# Altium PCB 4.0寸_TK040及31pin.PcbDoc
Units mm, origin at the board's own origin, x right, y up, seen from the top; angles counter-clockwise.
Board outline 60.41 x 107.61 mm, 2 copper layers (Top Layer, Bottom Layer); 21 components, 52 nets, 198 pads, 206 vias.
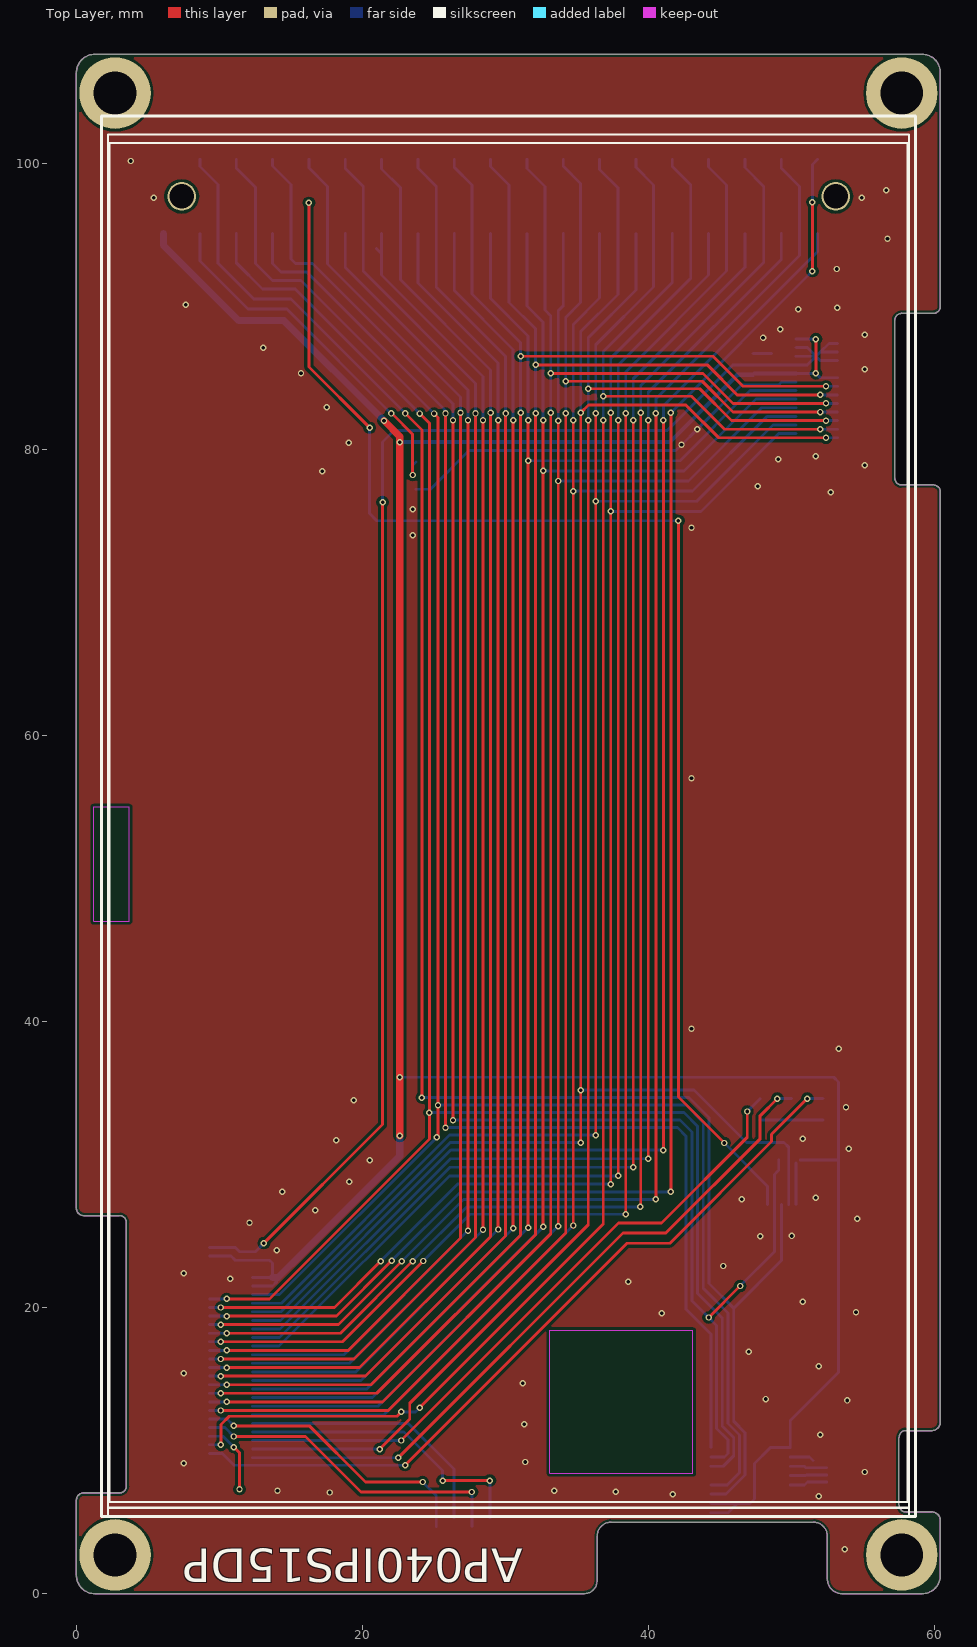
[diagram p0: Top Layer view]
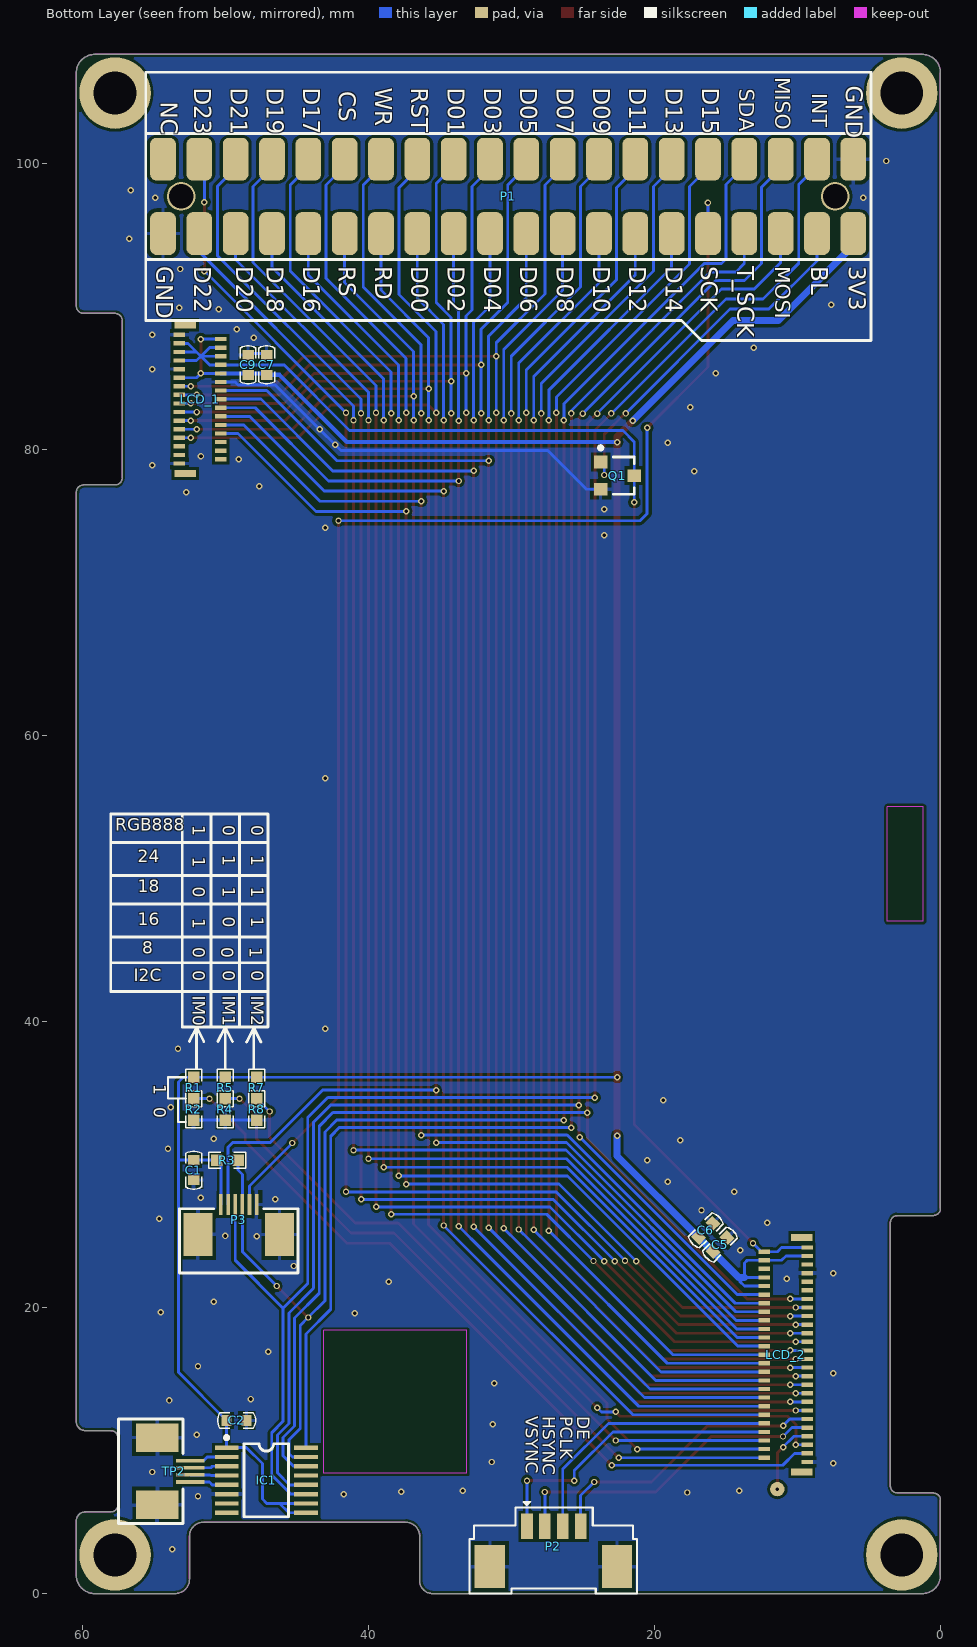
[diagram p1: Bottom Layer view, seen from below]
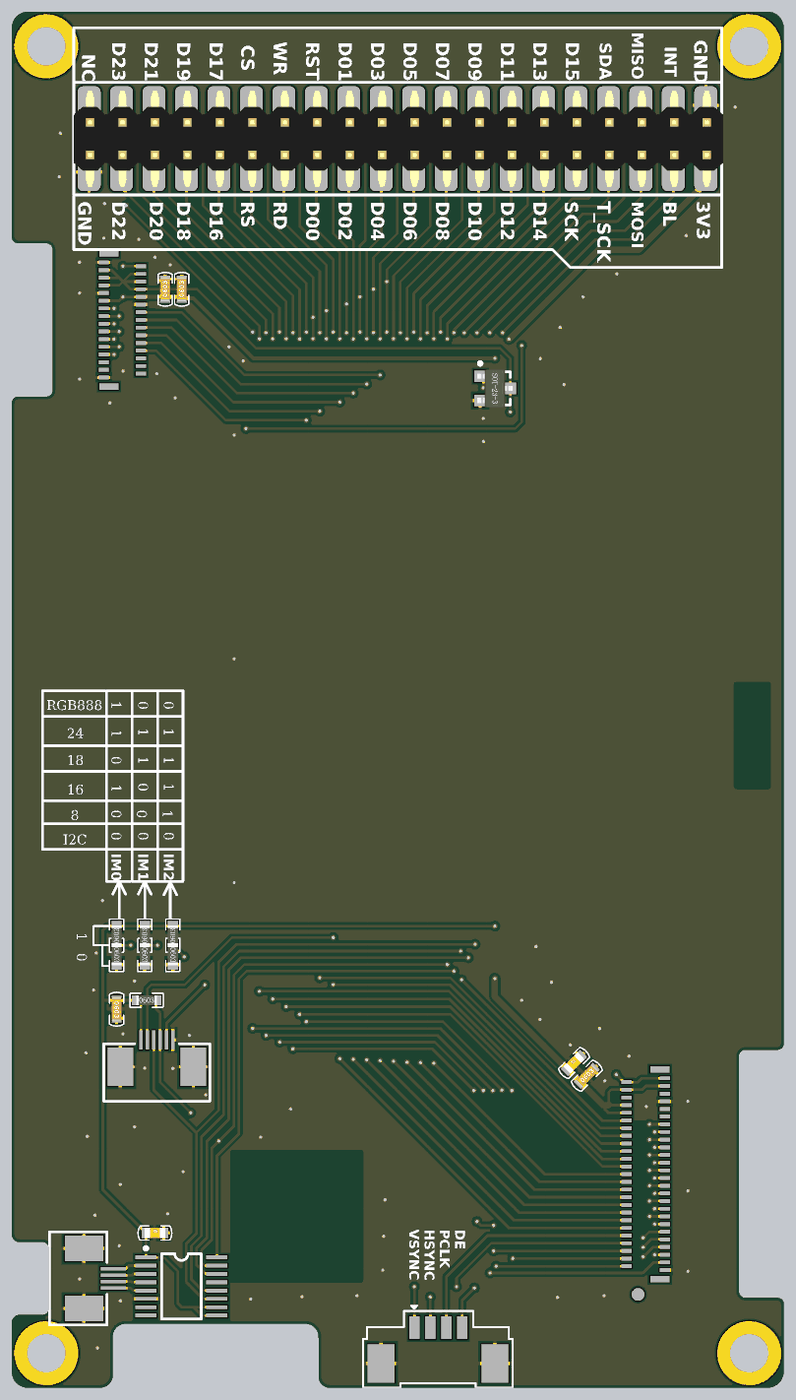
[diagram p2: 3D render of the assembled board from below, using the file's embedded part models]

## Layer stack, top to bottom
Top Solder: solder mask 0.0102, Solder Resist, Dk 3.5
Top Layer: signal copper 0.0356
Dielectric1: dielectric 0.32, FR-4, Dk 4.8
Bottom Layer: signal copper 0.0356
Bottom Solder: solder mask 0.0102, Solder Resist, Dk 3.5

## Board outline
-0.005,1.27 ccw(c1.27,1.27) 1.27,-0.005 35.5,-0.005 ccw(c35.5,0.9) 36.405,0.9 36.405,4 cw(c37.4,4) 37.4,4.995 51.5,4.995 cw(c51.5,4) 52.495,4 52.495,1 ccw(c53.5,1) 53.5,-0.005 59.13,-0.005 ccw(c59.13,1.27) 60.405,1.27 60.405,5.1 ccw(c59.8,5.1) 59.8,5.705 58,5.705 cw(c58,6.2) 57.505,6.2 57.505,10.9 cw(c58,10.9) 58,11.395 59.8,11.395 ccw(c59.8,12) 60.405,12 60.405,77 ccw(c59.9,77) 59.9,77.505 57.7,77.505 cw(c57.7,78) 57.205,78 57.205,89 cw(c57.7,89) 57.7,89.495 59.9,89.495 ccw(c59.9,90) 60.405,90 60.405,106.33 ccw(c59.13,106.33) 59.13,107.605 1.27,107.605 ccw(c1.27,106.33) -0.005,106.33 -0.005,26.93 ccw(c0.5,26.93) 0.5,26.425 3,26.425 cw(c3,25.93) 3.495,25.93 3.495,7.53 cw(c3,7.53) 3,7.035 0.5,7.035 ccw(c0.5,6.53) -0.005,6.53

## Design rules (kind name [scope] priority, off if disabled: settings)
Clearance [All] p1: gap=0.2
ComponentClearance [All] p1 off: gap=0.254 collisioncheckmode=3 verticalgap=0.254 showdistances=FALSE
Height [All] p1 off: minheight=0 maxheight=25.4 prefheight=12.7
PlaneConnect [All] p1: planeconnectstyle=Direct reliefexpansion=0.508 reliefentries=4 reliefconductorwidth=0.254 reliefairgap=0.254
PolygonConnect PolygonConnect_1 [IsVia] p1: connectstyle=Direct reliefconductorwidth=0.254 reliefentries=4 polygonreliefangle="90 Angle" airgapwidth=0.254
PolygonConnect [All] p2: connectstyle=Relief reliefconductorwidth=0.254 reliefentries=4 polygonreliefangle="90 Angle" airgapwidth=0.254
RoutingVias [All] p1: holewidth=0.711 width=1.27 viastyle="Through Hole" minholewidth=0.711 minwidth=1.27 maxholewidth=0.711 maxwidth=1.27
SilkToSolderMaskClearance SilkscreenOverComponentPads [IsPad] p1: minsilkscreentomaskgap=0.254 clearancetoexposedcopper=TRUE
SolderMaskExpansion [All] p1: expansion=0.102
Width [All] p1: maxlimit=1 minlimit=0.2 preferedwidth=0.2 minimp=50.000000 maximp=50.000000 favimp=50.000000
26 further rules are at their usual default settings.

## Components (designator, comment, footprint, x,y, rotation, side; value= is the part's Value field where it differs from the comment)
C1 "104" C0603-1 52.2,30.3 r270 bottom
C2 "104" C0603-2 49.9,12.1 r180 bottom
C5 "104" C0603-1 15.9,23.9 r135 bottom
C6 "475" C0603-2 16.9,24.9 r135 bottom
C7 "104" C0603-1 47.1,85.2 r90 bottom
C9 "475" C0603-1 48.4,85.2 r90 bottom
IC1 "XPT2046" SOT403-1 49.9,10.2 r180 bottom
LCD_1 "TFT_FSY39710" TFT_FSY39710 58.2,102 r180 top locked
LCD_2 "TK040F1532" TK040F1532 2.3,6.4 r0 top locked
P1 "PIN_Header_40PIN（排针）" P_Head_2x20 54.35,100.275 r180 bottom locked
P2 "BHEADSMD1x4" BHEADSMD1x4 28.9,4.7 r0 bottom locked
P3 "TP_Cap_4.0inch 电容屏接口座" TP_CAP_4.0INCH 47.6,27.2 r0 top locked
Q1 "SI2302" SOT23A 23.75,79.1 r270 bottom
R1 "0R" R0603 52.2,34.6 r90 bottom
R2 "0R" R0603 52.2,34.6 r270 bottom
R3 "4.7K" R0603 50.6,30.3 r180 bottom
R4 "0R" R0603 50,34.6 r270 bottom
R5 "0R" R0603 50,34.6 r90 bottom
R7 "0R" R0603 47.8,34.6 r90 bottom
R8 "0R" R0603 47.8,34.6 r270 bottom
TP2 "BHEADSMD1x4" TP_4.0inch 58.65,5.4 r180 top locked

## Footprints (in the part's own frame and the unit in brackets; to place one, negate y for a bottom-side part, rotate by r counter-clockwise, add the part's x,y. Pads: shape width x height; smd on the part's side, far side on the other; paste and mask are expansions set on the pad)
BHEADSMD1x4 [mil]
  rect 32x71 smd: 1(0,0) 2(-49.21,0) 3(-98.43,0) 4(-147.64,0)
  rect 83x118 smd: 5(102.36,110.24) 6(-248.03,110.24)
  silkscreen extent -303,-68 158,185
C0603-1 [mm]
  rect 0.7x0.8 smd mask+0.1: 1(0,0) 2(1.4,0)
  silkscreen extent -0.62,-0.55 2.02,0.55, body extent -0.3,-0.39 1.7,0.39, height 0.79
C0603-2 [mm]
  rect 0.7x0.8 smd mask+0.1: 1(0,0) 2(1.4,0)
  silkscreen extent -0.62,-0.55 2.02,0.55, body extent -0.1,-0.4 1.5,0.4, height 0.3
P_Head_2x20 [mm]
  round 2 hole 1.7: 0(1.27,-2.6) 0(46.99,-2.6)
  rrect50% 1.8x3 smd: 1(0,0) 2(0,-5.2) 3(2.54,0) 4(2.54,-5.2) 5(5.08,0) 6(5.08,-5.2) 7(7.62,0) 8(7.62,-5.2) 9(10.16,0) 10(10.16,-5.2) 11(12.7,0) 12(12.7,-5.2) 13(15.24,0) 14(15.24,-5.2) 15(17.78,0) 16(17.78,-5.2) 17(20.32,0) 18(20.32,-5.2) 19(22.86,0) 20(22.86,-5.2) 21(25.4,0) 22(25.4,-5.2) 23(27.94,0) 24(27.94,-5.2) 25(30.48,0) 26(30.48,-5.2) 27(33.02,0) 28(33.02,-5.2) 29(35.56,0) 30(35.56,-5.2) 31(38.1,0) 32(38.1,-5.2) 33(40.64,0) 34(40.64,-5.2) 35(43.18,0) 36(43.18,-5.2) 37(45.72,0) 38(45.72,-5.2) 39(48.26,0) 40(48.26,-5.2)
  silkscreen extent -1.2,-7 49.5,1.8, body extent -1.2,-6.35 49.6,1.15, height 9.7
R0603 [mm]
  rect 0.8x0.8 smd mask+0.1: 1(0,0) 2(1.5,0)
  silkscreen extent -0.55,-0.55 2.05,0.55, body extent -0.05,-0.4 1.55,0.4, height 0.45
SOT23A [mm]
  rect 0.9x0.95 smd: 1(0,0) 2(1.9,0) 3(0.95,2.35)
  silkscreen extent -1.12,-0.13 2.25,2.35, body extent -0.5,-0.25 2.4,2.55
SOT403-1 [mm]
  rect 1.65x0.3 smd: 1(0,0) 2(0,-0.65) 3(0,-1.3) 4(0,-1.95) 5(0,-2.6) 6(0,-3.25) 7(0,-3.9) 8(0,-4.55) 9(5.55,-4.55) 10(5.55,-3.9) 11(5.55,-3.25) 12(5.55,-2.6) 13(5.55,-1.95) 14(5.55,-1.3) 15(5.55,-0.65) 16(5.55,0)
  silkscreen extent -0.13,-4.83 4.33,0.82
TFT_FSY39710 [mm]
  rect 1.5x0.5 smd far side: 0(5.4,23.7) 0(5.4,13.3)
  rect 0.8x0.3 smd far side: 1(5,23) 2(7.9,22.7) 3(5,22.4) 4(7.9,22.1) 5(5,21.8) 6(7.9,21.5) 7(5,21.2) 8(7.9,20.9) 9(5,20.6) 10(7.9,20.3) 11(5,20) 12(7.9,19.7) 13(5,19.4) 14(7.9,19.1) 15(5,18.8) 16(7.9,18.5) 17(5,18.2) 18(7.9,17.9) 19(5,17.6) 20(7.9,17.3) 21(5,17) 22(7.9,16.7) 23(5,16.4) 24(7.9,16.1) 25(5,15.8) 26(7.9,15.5) 27(5,15.2) 28(7.9,14.9) 29(5,14.6) 30(7.9,14.3) 31(5,14)
  Keep-Out Layer lines w0.01: 57,55 54.5,55 54.5,47 57,47 57,55
  silkscreen extent 0,0 56,96
TK040F1532 [mm]
  rect 1.5x0.5 smd far side: 0(7.4,2.1) 0(7.4,18.5)
  rect 0.8x0.3 smd far side: 1(7,2.8) 2(10,3.1) 3(7,3.4) 4(10,3.7) 5(7,4) 6(10,4.3) 7(7,4.6) 8(10,4.9) 9(7,5.2) 10(10,5.5) 11(7,5.8) 12(10,6.1) 13(7,6.4) 14(10,6.7) 15(7,7) 16(10,7.3) 17(7,7.6) 18(10,7.9) 19(7,8.2) 20(10,8.5) 21(7,8.8) 22(10,9.1) 23(7,9.4) 24(10,9.7) 25(7,10) 26(10,10.3) 27(7,10.6) 28(10,10.9) 29(7,11.2) 30(10,11.5) 31(7,11.8) 32(10,12.1) 33(7,12.4) 34(10,12.7) 35(7,13) 36(10,13.3) 37(7,13.6) 38(10,13.9) 39(7,14.2) 40(10,14.5) 41(7,14.8) 42(10,15.1) 43(7,15.4) 44(10,15.7) 45(7,16) 46(10,16.3) 47(7,16.6) 48(10,16.9) 49(7,17.2) 50(10,17.5) 51(7,17.8)
  Keep-Out Layer lines w0.01: 30.8,2 30.8,12 40.8,12 40.8,2 30.8,2
  silkscreen extent 0,0 55.8,95
TP_4.0inch [mm]
  rect 2x0.25 smd far side: 1(6.2,-2.4) 2(6.2,-2.9) 3(6.2,-3.4) 4(6.2,-3.9)
  rect 3x2 smd far side: 5(3.9,-0.8) 6(3.9,-5.5)
  silkscreen extent 0,-97.9 56.9,0
TP_CAP_4.0INCH [mm]
  rect 0.25x1.5 smd far side: 1(2.7,0) 2(2.2,0) 3(1.7,0) 4(1.2,0) 5(0.7,0) 6(0.2,0)
  rect 2x3 smd far side: 7(-1.4,-2.1)
  rect 2x3 smd far side paste+0: 8(4.3,-2.1)
  silkscreen extent -45.4,-21.8 10.6,74.2

## Part data
C1 C2 C5 C6 C7 C9: library part cap
IC1: library part ADS7843
P1: library part PIN_Header_40PIN
P3: library part BHEADSMD1x6
Q1: library part MOSFET-N
R1 R2 R3 R4 R5 R7 R8: library part Resistor

## Free pads (board coordinates)
  round 5 hole 3: 2(2.7,2.7) 2(2.7,104.9) 2(57.7,2.7) 2(57.7,104.9)
  round 1 smd far side: 4(11.4,7.3)

## Via types
v1: diameter 0.45, hole 0.25, Top Layer to Bottom Layer, tented both sides, 206 vias

## Nets (pads, with @x,y where several pads share a name; then routed paths per layer and width w, separated by ;. In a path a pad name is that pad's centre, name@x,y a point inside that pad or via, vN(x,y) a via of type N, cw(c..) or ccw(c..) an arc to the next point about the centre after c; other vN are vias at no path point)
3.3V: C1.1 C2.1 C5.1 C6.1 C7.1 C9.1 IC1.1 IC1.9 IC1.10 LCD_1.21 LCD_1.22 LCD_1.30 LCD_2.42 LCD_2.44 LCD_2.48 LCD_2.49 P1.40 P3.1 R1.2 R3.1 R5.2 R7.2 | length 205.3
  Top Layer w0.2: v1(51.7,85.3) v1(51.7,87.7)
  Top Layer w0.5: v1(21.5,82) 22.6,80.9 v1(22.6,80.5) v1(22.6,36.1) v1(22.6,32)
  Bottom Layer w0.2: LCD_2.49 10.8,23.6 11.1,23.3 LCD_2.48 13.5,23.3 13.7,23.1 13.7,22.1 ; LCD_2.42 13.7,21.5 14,21.8 13.7,22.1 ; LCD_2.44 13.7,22.1 ; v1(22.6,36.1) R7.2 R1.2 52.945,36.1 53.275,35.77 53.275,30.3 ; IC1.9 45.55,5.65 46.2,6.3 ; IC1.10 46.2,6.3 ; P3.1 R3.1@50.3,30.1 ; LCD_1.22 v1(51.7,85.3) 52,85 LCD_1.21 ; LCD_1.30 v1(51.7,87.7) ; R3.1 C1.1 53.275,30.3 ; 46.2,6.3 47.1,6.3 47.4,6.6 47.4,9.1 48.5,10.2 IC1.1 C2.1 53.275,15.475 53.275,30.3
  Bottom Layer w0.3: v1(22.6,80.5) 41.5,80.5 46.2,85.2 C7.1 C7.1@47.3,85.2 ; C7.1@47.4,85.3 LCD_1.22
  Bottom Layer w0.5: P1.40 6.09,94.235 11.325,89 14.5,89 v1(21.5,82) ; 13.7,22.1 14.1,22.1 C5.1 C6.1 22.6,30.6 v1(22.6,32)
BL_CTR: P1.38 Q1.1 | length 25.6
  Top Layer w0.2: v1(22,82.5) 22.05,82.5 23.504,81.046 v1(23.504,78.2)
  Bottom Layer w0.2: P1.38 8.63,93.17 12,89.8 14.7,89.8 v1(22,82.5) ; v1(23.504,78.2) 23.504,78.854 Q1.1
CABC: LCD_2.7 pad.4 | length 5.1
  Top Layer w0.2: v1(11,10.242) 11.4,9.842 v1(11.4,7.3)
  Bottom Layer w0.2: LCD_2.7 10.242,11 v1(11,10.242)
CS: LCD_1.8 LCD_2.37 P1.11 | length 121.3
  Top Layer w0.2: v1(10.1,20) 18.03,20 v1(21.273,23.242) ; v1(37.355,28.625) v1(37.355,75.657) v1(37.355,82.555)
  Bottom Layer w0.2: LCD_2.37 v1(10.1,20) ; v1(21.273,23.242) 26.655,28.625 v1(37.355,28.625) ; v1(37.355,75.657) 43.657,75.657 49.1,81.1 LCD_1.8 ; v1(37.355,82.555) 37.355,86.355 42.95,91.95 42.95,98.475 41.65,99.775 P1.11
D00: LCD_1.12 LCD_2.12 P1.16 | length 115.9
  Top Layer w0.2: v1@34.73,25.6 v1(34.73,25.73) v1(34.73,77.072) v1(34.73,82.03)
  Bottom Layer w0.2: LCD_2.12 21.5,12.5 32.95,23.95 v1(34.73,25.73) ; v1(34.73,77.072) 43.072,77.072 48.3,82.3 LCD_1.12 ; v1(34.73,82.03) 34.73,88.73 36.57,90.57 P1.16
D01: LCD_1.13 LCD_2.13 P1.17 | length 125.8
  Top Layer w0.2: v1(10.1,12.8) 21.8,12.8 34.205,25.205 v1(34.205,82.505) ; v1(34.205,84.75) 43.75,84.75 45.9,82.6 v1(52,82.6)
  Bottom Layer w0.2: LCD_2.13 v1(10.1,12.8) ; P1.17 34.03,99.795 35.25,98.575 35.25,90.25 34.205,89.205 v1(34.205,84.75) v1(34.205,82.505) ; v1@52.1,82.6 LCD_1.13
D02: LCD_1.14 LCD_2.14 P1.18 | length 115
  Top Layer w0.2: v1@33.68,25.6 v1(33.68,25.69) v1(33.68,77.779) v1(33.68,82)
  Bottom Layer w0.2: LCD_2.14 21.09,13.1 31.99,24 v1(33.68,25.69) ; v1(33.68,77.779) 42.779,77.779 47.9,82.9 LCD_1.14 ; v1(33.68,82) 33.68,89.68 34.03,90.03 P1.18
D03: LCD_1.15 LCD_2.15 P1.19 | length 125.4
  Top Layer w0.2: v1(10.5,13.4) 21.4,13.4 33.155,25.155 v1(33.155,82.545) ; v1(33.155,85.3) 43.8,85.3 45.9,83.2 v1(52.4,83.2)
  Bottom Layer w0.2: LCD_2.15 v1(10.5,13.4) ; P1.19 31.49,99.635 32.75,98.375 32.75,89.725 33.155,89.32 v1(33.155,85.3) v1(33.155,82.545) ; v1(52.4,83.2) LCD_1.15
D04: LCD_1.16 LCD_2.16 P1.20 | length 115
  Top Layer w0.2: v1@32.63,25.6 v1(32.63,82.03)
  Bottom Layer w0.2: LCD_2.16 20.69,13.7 v1(32.63,25.64) ; P1.20 31.49,90.01 32.63,88.87 v1(32.63,82.03) ; v1@32.6,78.486 v1(32.63,78.486) 42.486,78.486 47.5,83.5 LCD_1.16
D05: LCD_1.17 LCD_2.17 P1.21 | length 125.7
  Top Layer w0.2: v1(10.1,14) 21,14 32.105,25.105 v1(32.105,82.505) ; v1(32.105,85.9) 44.1,85.9 46.2,83.8 v1(52,83.8)
  Bottom Layer w0.2: LCD_2.17 v1(10.1,14) ; P1.21 28.95,99.775 30.25,98.475 30.25,90.25 32.105,88.395 v1(32.105,85.9) v1(32.105,82.505) ; v1@52.1,83.8 LCD_1.17
D06: LCD_1.18 LCD_2.18 P1.22 | length 115.3
  Top Layer w0.2: v1@31.58,25.6 v1(31.58,79.193) v1(31.58,82.02)
  Bottom Layer w0.2: LCD_2.18 20.3,14.3 31.083,25.083 v1(31.58,25.58) ; P1.22 28.95,90.55 31.58,87.92 v1(31.58,82.02) ; v1(31.58,79.193) 42.193,79.193 47.1,84.1 LCD_1.18
D07: LCD_1.19 LCD_2.19 P1.23 | length 126.1
  Top Layer w0.2: v1(10.5,14.6) 20.6,14.6 31.055,25.055 v1(31.055,82.545) ; v1(31.055,86.5) 44.5,86.5 46.6,84.4 v1(52.4,84.4)
  Bottom Layer w0.2: LCD_2.19 v1@10.4,14.6 ; P1.23 26.41,99.715 27.65,98.475 27.65,90.85 31.055,87.445 v1(31.055,86.5) v1(31.055,82.545) ; v1(52.4,84.4) LCD_1.19
D08: LCD_2.20 P1.24 | length 93.8
  Top Layer w0.2: v1@30.53,25.6 v1(30.53,82.03)
  Bottom Layer w0.2: LCD_2.20 19.9,14.9 29.5,24.5 v1(30.53,25.53) ; P1.24 26.41,91.09 30.53,86.97 v1(30.53,82.03)
D09: LCD_2.21 P1.25 | length 102.6
  Top Layer w0.2: v1(10.1,15.2) 20.2,15.2 30,25 v1(30,82.5)
  Bottom Layer w0.2: LCD_2.21 v1(10.1,15.2) ; P1.25 23.87,99.655 25.15,98.375 25.15,91.35 30,86.5 v1(30,82.5)
D10: LCD_2.22 P1.26 | length 93.2
  Top Layer w0.2: v1(29.475,25.45) v1(29.475,82.025)
  Bottom Layer w0.2: LCD_2.22 19.525,15.5 28.7,24.675 v1(29.475,25.45) ; P1.26 23.87,91.63 29.475,86.025 v1(29.475,82.025)
D11: LCD_2.23 P1.27 | length 101.8
  Top Layer w0.2: v1(10.5,15.8) 19.8,15.8 28.95,24.95 v1(28.95,82.55)
  Bottom Layer w0.2: LCD_2.23 v1@10.4,15.8 ; P1.27 21.33,99.595 22.65,98.275 22.65,91.85 28.95,85.55 v1(28.95,82.55)
D12: LCD_2.24 P1.28 | length 93.1
  Top Layer w0.2: v1(28.425,25.425) v1(28.425,82.025)
  Bottom Layer w0.2: LCD_2.24 19.1,16.1 27.4,24.4 v1(28.425,25.425) ; P1.28@20.98,94.02 P1.28@21.33,93.67 ; P1.28 P1.28@21.33,93.67 ; v1(28.425,82.025) 28.425,85.075 21.33,92.17 P1.28@21.33,93.67
D13: LCD_2.25 P1.29 | length 101.3
  Top Layer w0.2: v1(10.1,16.4) 19.4,16.4 27.9,24.9 v1(27.9,82.5)
  Bottom Layer w0.2: LCD_2.25 v1(10.1,16.4) ; P1.29 18.79,99.635 20.05,98.375 20.05,92.45 27.9,84.6 v1(27.9,82.5)
D14: LCD_2.26 P1.30 | length 91.9
  Top Layer w0.2: v1(27.375,25.375) v1(27.375,82.025)
  Bottom Layer w0.2: LCD_2.26 18.7,16.7 25.895,23.895 v1(27.375,25.375) ; P1.30 18.79,92.71 27.375,84.125 v1(27.375,82.025)
D15: LCD_2.27 P1.31 | length 100.6
  Top Layer w0.2: v1(10.5,17) 19,17 26.85,24.85 v1(26.85,82.55)
  Bottom Layer w0.2: LCD_2.27 v1(10.5,17) ; P1.31 16.25,99.675 17.55,98.375 17.55,92.95 26.85,83.65 v1(26.85,82.55)
D16: LCD_2.28 P1.10 | length 99
  Top Layer w0.2: v1(37.88,29.2) v1(37.88,82.02)
  Bottom Layer w0.2: LCD_2.28 14.171,17.3 26.071,29.2 v1(37.88,29.2) ; v1(37.88,82.02) 37.88,85.88 44.19,92.19 P1.10
D17: LCD_2.29 P1.9 | length 110
  Top Layer w0.2: v1(10.1,17.6) 18.6,17.6 v1(24.25,23.25) ; v1(38.405,26.505) v1(38.405,82.505)
  Bottom Layer w0.2: LCD_2.29 v1(10.1,17.6) ; v1(24.25,23.25) 27.516,26.516 v1@38.4,26.516 ; v1(38.405,82.505) 38.405,85.405 45.45,92.45 45.45,98.475 44.19,99.735 P1.9
D18: LCD_2.30 P1.8 | length 100.1
  Top Layer w0.2: v1(38.93,29.802) v1(38.93,82.03)
  Bottom Layer w0.2: LCD_2.30 14.205,17.9 26.105,29.8 v1@38.928,29.8 ; v1(38.93,82.03) 38.93,84.925 46.73,92.725 P1.8
D19: LCD_2.31 P1.7 | length 111.1
  Top Layer w0.2: v1(10.5,18.2) 18.458,18.2 v1(23.504,23.246) ; v1@39.455,27 v1(39.455,82.555)
  Bottom Layer w0.2: LCD_2.31 v1@10.4,18.2 ; v1(23.504,23.246) 27.288,27.03 v1(39.43,27.03) ; v1(39.455,82.555) 39.455,84.455 48.05,93.05 48.05,98.375 46.73,99.695 P1.7
D20: LCD_2.32 P1.6 | length 101.1
  Top Layer w0.2: v1(39.98,30.4) v1(39.98,82.02)
  Bottom Layer w0.2: LCD_2.32 14.24,18.5 26.14,30.4 v1(39.98,30.4) ; v1(39.98,82.02) 39.98,83.98 49.27,93.27 P1.6
D21: LCD_2.33 P1.5 | length 112.3
  Top Layer w0.2: v1(10.1,18.8) 18.315,18.8 v1(22.758,23.242) ; v1@40.505,27.505 v1(40.505,82.505)
  Bottom Layer w0.2: LCD_2.33 v1(10.1,18.8) ; v1(22.758,23.242) 27.07,27.555 v1(40.5,27.555) ; v1(40.505,82.505) 40.505,83.505 50.55,93.55 50.55,98.375 49.27,99.655 P1.5
D22: LCD_2.34 P1.4 | length 102.2
  Top Layer w0.2: v1@41.03,31.03 v1(41.03,82.03)
  Bottom Layer w0.2: LCD_2.34 14.274,19.1 26.174,31 v1(41.03,31) ; v1(41.03,82.03) 41.03,83.03 51.81,93.81 P1.4
D23: LCD_2.35 P1.3 | length 112.2
  Top Layer w0.2: v1(10.5,19.4) 18.173,19.4 v1(22.048,23.275) ; v1(41.555,28.1) v1(41.555,82.555) ; v1(51.45,92.45) v1(51.45,97.275)
  Bottom Layer w0.2: LCD_2.35 v1@10.4,19.4 ; v1(22.048,23.275) 26.853,28.08 41.535,28.08 v1(41.555,28.1) ; v1(41.555,82.555) v1(51.45,92.45) ; v1(51.45,97.275) 51.45,99.915 P1.3
DE: LCD_2.11 P2.4 | length 20.2
  Top Layer w0.2: v1(11,11.727) 16.273,11.727 20.2,7.8 v1(24.2,7.8)
  Bottom Layer w0.2: LCD_2.11 10.527,12.2 v1(11,11.727) ; v1(24.2,7.8) 25.15,6.85 P2.4
GND: C1.2 C2.2 C5.2 C6.2 C7.2 C9.2 IC1.6 LCD_1.1 LCD_1.20 LCD_1.23 LCD_1.31 LCD_2.1 LCD_2.45 P1.2 P1.39 P2.5 P2.6 P3.6 P3.7 P3.8 Q1.2 R2.2 R4.2 R8.2 TP2.5 TP2.6 | length 35.4
  Bottom Layer w0.2: Q1.2 24.75,77.2 27.45,79.9 41.9,79.9 v1(42.3,80.3) v1(43.4,81.4) 46.5,84.5 49.1,84.5 49.3,84.7 LCD_1.20 ; C7.2@47.3,86.7 C9.2@48.6,86.7 ; R8.2 R4.2 R2.2
  other v1: 53.7,3.1 51.9,6.8 41.7,6.934 17.7,7.066 37.7,7.117 14.059,7.2 33.4,7.2 55.1,8.5 7.5,9.1 31.373,9.2 52,11.1 31.3,11.851 53.9,13.5 48.2,13.6 31.2,14.7 7.5,15.4 51.9,15.9 47,16.9 40.929,19.6 54.5,19.659 50.789,20.4 38.58,21.8 10.755,22 7.5,22.4 45.216,22.9 14,24 47.8,24.973 50,25 12.1,25.93 54.6,26.196 16.7,26.8 46.5,27.555 51.7,27.667 14.4,28.08 19.067,28.8 20.5,30.3 54,31.1 18.173,31.7 50.789,31.8 53.8,34 19.38,34.5 53.3,38.1 43,39.5 43,57 23.5,74 43,74.5 23.5,75.8 52.724,77 47.617,77.4 17.2,78.453 55.1,78.873 49.054,79.3 51.694,79.5 19.048,80.467 17.5,82.922 15.7,85.3 55.1,85.6 13.063,87.1 48,87.8 55.1,88.006 49.2,88.395 50.46,89.8 53.2,89.89 7.633,90.1 53.145,92.6 56.7,94.7 5.4,97.581 54.9,97.581 56.6,98.1 3.8,100.148
HSYNC: LCD_2.9 P2.2 | length 22.6
  Top Layer w0.2: v1(11.004,10.981) 16.019,10.981 19.9,7.1 v1(27.65,7.1)
  Bottom Layer w0.2: LCD_2.9 10.385,11.6 v1(11.004,10.981) ; P2.2 v1(27.65,7.1)
IM0: LCD_2.3 R1.1 R2.1 | length 54
  Top Layer w0.2: v1(22.975,8.975) 38.493,24.493 41.493,24.493 48.6,31.6 48.6,32.105 v1(51.095,34.6)
  Bottom Layer w0.2: LCD_2.3 10.2,9.8 11.025,8.975 v1(22.975,8.975) ; v1@51.2,34.6 R2.1
IM1: LCD_2.2 R4.1 R5.1 | length 49
  Top Layer w0.2: v1(22.5,9.5) 38.2,25.2 41.2,25.2 47.8,31.8 47.8,33.4 v1(49,34.6)
  Bottom Layer w0.2: LCD_2.2 v1(22.5,9.5) ; v1(49,34.6) R4.1
IM2: LCD_2.6 R7.1 R8.1 | length 46.5
  Top Layer w0.2: v1(22.7,10.7) 37.907,25.907 40.907,25.907 46.9,31.9 v1(46.9,33.7)
  Bottom Layer w0.2: LCD_2.6 v1(22.7,10.7) ; v1(46.9,33.7) R8.1
INT: IC1.11 P1.37 P3.3 | length 131.8
  Top Layer w0.2: v1(23,82.5) 24.15,81.35 v1(24.15,34.675)
  Bottom Layer w0.2: P1.37 8.63,99.77 9.9,98.5 9.9,93 12.4,90.5 15,90.5 v1(23,82.5) ; v1(24.15,34.675) 42.825,34.675 44.225,33.275 44.225,21.675 45.95,19.95 ; IC1.11 45.416,6.95 46.75,8.284 46.75,11.247 45.95,12.047 45.95,19.95 ; P3.3 49.3,23.3 45.95,19.95
LEDK: LCD_1.24 LCD_1.25 LCD_1.26 LCD_1.27 LCD_1.28 LCD_1.29 LCD_2.50 LCD_2.51 Q1.3 | length 104.1
  Top Layer w0.2: v1(13.1,24.492) 21.4,32.792 v1(21.4,76.3)
  Bottom Layer w0.2: LCD_2.51 11.1,24.2 11.4,23.9 LCD_2.50 12.508,23.9 v1(13.1,24.492) ; v1(21.4,76.3) Q1.3 21.4,80.5 22.2,81.3 41.3,81.3 45.9,85.9 LCD_1.24 51.1,85.9 51.7,86.5 ; LCD_1.26 51.7,86.5 ; LCD_1.28 51.1,87.1 51.7,86.5 ; LCD_1.25 52,86.2 51.7,86.5 ; LCD_1.27 52,86.8 ; LCD_1.29 52.6,87.4 52,86.8 ; 51.7,86.5 52,86.8
PCLK: LCD_2.10 P2.3 | length 18.8
  Bottom Layer w0.2: LCD_2.10 23.2,11.9 26.4,8.7 P2.3@26.4,5.3
RD: LCD_1.11 LCD_2.4 P1.14 | length 119.6
  Top Layer w0.2: v1(21.2,10.1) 23.3,12.2 23.3,13.3 35.78,25.78 v1(35.78,82.02) ; v1@35.805,84.225 43.575,84.225 45.8,82 v1(52.4,82)
  Bottom Layer w0.2: LCD_2.4 v1(21.2,10.1) ; v1(35.78,82.02) v1(35.78,84.225) 35.78,87.79 39.11,91.12 P1.14 ; v1(52.4,82) LCD_1.11
RS: LCD_1.9 LCD_2.5 P1.12 | length 123.3
  Top Layer w0.2: v1(10.1,10.4) 10.1,11.815 10.685,12.4 22.4,12.4 v1(22.7,12.7) ; v1(24,13) 36.83,25.83 v1(36.83,82.03) ; v1(36.83,83.7) 43,83.7 45.3,81.4 v1(52,81.4)
  Bottom Layer w0.2: LCD_2.5 v1(10.1,10.4) ; v1(22.7,12.7) 23.7,12.7 v1(24,13) ; v1(36.83,82.03) v1(36.83,83.7) 36.83,86.83 41.65,91.65 P1.12 ; v1(52,81.4) LCD_1.9
RST: LCD_1.7 LCD_2.36 P1.15 P3.2 | length 137.5
  Top Layer w0.2: v1(35.255,31.525) v1(35.255,35.2) v1(35.255,82.555) 35.8,83.1 42.6,83.1 44.9,80.8 v1(52.4,80.8)
  Bottom Layer w0.2: LCD_2.36 14.308,19.7 26.133,31.525 v1(35.255,31.525) ; v1(35.255,35.2) 43.175,35.2 46.85,31.525 49.475,31.525 49.8,31.2 P3.2 ; v1(35.255,82.555) 35.255,88.23 37.85,90.825 37.85,98.275 36.57,99.555 P1.15 ; v1(52.4,80.8) LCD_1.7
SCK: P1.32 P3.5 | length 97.8
  Top Layer w0.2: v1(16.25,97.225) 16.25,85.75 v1(20.5,81.5) ; v1(42.08,75) 42.08,34.72 v1(45.3,31.5)
  Bottom Layer w0.2: P1.32 v1(16.25,97.225) ; v1(20.5,81.5) 20.5,75.5 21,75 v1(42.08,75) ; v1(45.3,31.5) 48.3,28.5 P3.5
SDA: IC1.15 P1.33 P3.4 R3.2 | length 128.1
  Top Layer w0.2: v1@26.325,33 v1(26.325,33.1) v1(26.325,82.025) ; v1(44.2,19.3) v1(46.4,21.5)
  Bottom Layer w0.2: P1.33 13.71,99.79 15,98.5 15,93.3 15.31,92.99 16.51,92.99 26.325,83.175 v1(26.325,82.025) ; v1(26.325,33.1) 42.2,33.1 43.025,32.275 43.025,20.475 v1(44.2,19.3) 44.75,18.75 44.75,11.55 45.55,10.75 45.55,9.8 45.3,9.55 IC1.15 ; v1(46.4,21.5) 48.8,23.9 P3.4 48.8,29.3 49.1,29.6 R3.2
T_BUSY: IC1.13
T_MISO: IC1.12 LCD_2.40 P1.35 | length 139.8
  Top Layer w0.2: v1(25,82.495) 25.275,82.22 v1(25.275,34.15) 25.275,31.975 v1(25.2,31.9)
  Bottom Layer w0.2: P1.35 11.17,99.655 12.51,98.315 12.51,92.99 13.7,91.8 15.71,91.8 23.61,83.9 23.61,83.885 v1(25,82.495) ; LCD_2.40 14.2,20.9 v1(25.2,31.9) ; v1@25.35,34.15 42.625,34.15 43.825,32.95 43.825,21.35 45.55,19.625 45.55,11.881 46.35,11.081 46.35,8.45 45.5,7.6 IC1.12
T_MOSI: IC1.14 LCD_2.39 P1.36 | length 135.2
  Top Layer w0.2: v1(10.5,20.6) 13.5,20.6 24.675,31.775 v1(24.675,33.625) 24.675,81.82 v1(24,82.495)
  Bottom Layer w0.2: LCD_2.39 v1@10.4,20.6 ; P1.36 11.17,93.04 13.01,91.2 15.3,91.2 24,82.5 v1(24,82.495) ; v1@24.7,33.625 42.475,33.625 43.425,32.675 43.425,21 45.15,19.275 45.15,11.716 45.95,10.916 45.95,9.634 45.216,8.9 IC1.14
T_SCK: IC1.16 P1.34 | length 108.1
  Top Layer w0.2: v1@25.8,32.5 v1(25.8,32.575) v1(25.8,82.5)
  Bottom Layer w0.2: P1.34 13.71,92.99 14.3,92.4 16.1,92.4 25.8,82.7 v1(25.8,82.5) ; v1@25.875,32.575 42.025,32.575 42.625,31.975 42.625,19.875 44.35,18.15 IC1.16
VSYNC: LCD_2.8 P2.1 | length 21
  Top Layer w0.2: v1(25.6,7.9) v1(28.9,7.9)
  Bottom Layer w0.2: LCD_2.8 22.9,11.3 25.6,8.6 v1(25.6,7.9) ; P2.1@28.9,5.3 v1(28.9,7.9)
WR: LCD_1.10 LCD_2.38 P1.13 | length 115.5
  Top Layer w0.2: v1(36.305,32.05) v1(36.305,76.364) v1(36.305,82.505)
  Bottom Layer w0.2: LCD_2.38 14.342,20.3 26.092,32.05 v1(36.305,32.05) ; v1(36.305,76.364) 43.364,76.364 48.7,81.7 LCD_1.10 ; v1(36.305,82.505) 36.305,87.305 40.35,91.35 40.35,98.475 39.11,99.715 P1.13
XL: IC1.4 TP2.2 | length 2.6
  Bottom Layer w0.2: IC1.4 51,8.25 51.05,8.3 TP2.2
XR: IC1.2 TP2.4 | length 1.7
  Bottom Layer w0.2: IC1.2 51.25,9.55 TP2.4@51.5,9.3
YD: IC1.5 TP2.1 | length 2.6
  Bottom Layer w0.2: IC1.5 50.9,7.6 51.1,7.8 TP2.1
YU: IC1.3 TP2.3 | length 2.6
  Bottom Layer w0.2: IC1.3 50.9,8.9 51,8.8 TP2.3
pads on no net: IC1.7 IC1.8 LCD_1.0 LCD_1.2 LCD_1.3 LCD_1.4 LCD_1.5 LCD_1.6 LCD_2.0 LCD_2.41 LCD_2.43 LCD_2.46 LCD_2.47 P1.0 P1.1

## Polygon pours and split planes (outlines as drawn)
GND on Top Layer "Top Layer-No Net" (solid, remove dead copper, pour order 0): 0,0 0,107.6 60.4,107.6 60.4,0 33.2,0
GND on Bottom Layer "Top Layer-No Net" (solid, remove dead copper, pour order 2): 0,0 0,107.6 60.4,107.6 60.4,0 33.2,0

## Keep-outs
Keep-Out Layer:
  lines w0.01: 60.4,77 ccw(c60.4,77) 60.4,77 ; 60.4,77 ccw(c59.9,77) 59.9,77.5 57.7,77.5 cw(c57.7,78) 57.2,78 57.2,89 cw(c57.7,89) 57.7,89.5 59.9,89.5 ccw(c59.9,90) 60.4,90 60.4,106.33 ccw(c59.13,106.33) 59.13,107.6 1.27,107.6 ccw(c1.27,106.33) 0,106.33 0,26.93 ccw(c0.5,26.93) 0.5,26.43 1.5,26.43 3,26.43 cw(c3,25.93) 3.5,25.93 3.5,24.43 3.5,7.53 cw(c3,7.53) 3,7.03 0.5,7.03 ccw(c0.5,6.53) 0,6.53 0,1.27 ccw(c1.27,1.27) 1.27,0 35.5,0 ccw(c35.5,0.9) 36.4,0.9 36.4,4 cw(c37.4,4) 37.4,5 51,5 51.5,5 cw(c51.5,4) 52.5,4 52.5,1 ccw(c53.5,1) 53.5,0 59.13,0 ccw(c59.13,1.27) 60.4,1.27 60.4,5.1 ccw(c59.8,5.1) 59.8,5.7 58,5.7 cw(c58,6.2) 57.5,6.2 57.5,10.9 cw(c58,10.9) 58,11.4 59.8,11.4 ccw(c59.8,12) 60.4,12 60.4,77

## Other copper
Top Layer:
  pour cut-out: 41.9,27.8 36.1,27.8 36.1,23.5
  pour cut-out: 25.8,82.5 26.85,82.5 26.85,81.7 26.9,81.7
Bottom Layer:
  pour cut-out: 9.5,20.906 11.8,20.906 11.8,20.5

## Silkscreen, mask and mechanical layers (free items; w line width, h text height)
Top Overlay:
  text "AP040IPS15DP" at 31.2,3.9 h4 r180
Bottom Overlay:
  lines w0.15: 52.75,32.975 53.3,32.975 53.3,34.6 52.75,34.6 54,34.6 54,36.1 52.75,36.1
  lines w0.2: 4.85,93.275 4.85,89 4.85,87.6 16.7,87.6 18.1,89 55.55,89 55.55,93.275 ; 4.85,102.075 4.85,106.35 55.55,106.35 55.55,102.075 ; 47,42.1 58,42.1 58,54.5 47,54.5 47,39.6 51,39.6 ; 47,44.1 58,44.1 ; 47,45.9 58,45.9 ; 47,48.2 58,48.2 ; 47,50.2 58,50.2 ; 47,52.5 58,52.5 ; 47.5,38.55 48,39.55 ; 48,36.7 48,39.55 ; 48.5,38.55 48,39.55 ; 49,39.6 49,54.5 ; 49.5,38.6 50,39.6 ; 50,36.7 50,39.6 ; 50.5,38.6 50,39.6 ; 51,54.5 51,39.6 ; 51.5,38.6 52,39.6 ; 52,36.7 52,39.6 ; 52.5,38.6 52,39.6 ; 53,54.5 53,39.6 51,39.6
  text "MISO" at 11.9,106 h1.8 r90
  text "GND" at 7,105.4 h2 r90
  text "D15" at 17.042,105.267 h2 r90
  text "D13" at 19.582,105.267 h2 r90
  text "D11" at 22.122,105.267 h2 r90
  text "D09" at 24.662,105.267 h2 r90
  text "D07" at 27.202,105.267 h2 r90
  text "D05" at 29.742,105.267 h2 r90
  text "D03" at 32.282,105.267 h2 r90
  text "D01" at 34.822,105.267 h2 r90
  text "RST" at 37.362,105.267 h2 r90
  text "WR" at 39.902,105.267 h2 r90
  text "D17" at 44.922,105.267 h2 r90
  text "D19" at 47.462,105.267 h2 r90
  text "D21" at 50.002,105.267 h2 r90
  text "D23" at 52.542,105.267 h2 r90
  text "SDA" at 14.4,105.2 h1.8 r90
  text "CS" at 42.442,105.013 h2 r90
  text "INT" at 9.3,104.9 h1.8 r90
  text "NC" at 54.9,104.3 h2 r90
  text "3V3" at 6.8,92.787 h2 r90
  text "BL" at 9.422,92.787 h2 r90
  text "MOSI" at 11.9,92.787 h1.8 r90
  text "T_SCK" at 14.582,92.787 h2 r90
  text "SCK" at 17.122,92.787 h2 r90
  text "D14" at 19.582,92.787 h2 r90
  text "D12" at 22.122,92.787 h2 r90
  text "D10" at 24.662,92.787 h2 r90
  text "D08" at 27.202,92.787 h2 r90
  text "D06" at 29.742,92.787 h2 r90
  text "D04" at 32.282,92.787 h2 r90
  text "D02" at 34.822,92.787 h2 r90
  text "D00" at 37.362,92.787 h2 r90
  text "RD" at 39.902,92.787 h2 r90
  text "RS" at 42.442,92.787 h2 r90
  text "D16" at 44.922,92.787 h2 r90
  text "D18" at 47.462,92.787 h2 r90
  text "D20" at 49.6,92.8 h2 r90
  text "D22" at 52.542,92.787 h2 r90
  text "GND" at 55.2,92.787 h2 r90
  text "0" at 48.5,53.7 h1.5 r90
  text "0" at 50.5,53.7 h1.5 r90
  text "1" at 52.6,53.7 h1.5 r90
  text "RGB888" at 57.7,53 h1.5
  text "1" at 48.5,51.6 h1.5 r90
  text "1" at 50.5,51.6 h1.5 r90
  text "1" at 52.6,51.5 h1.5 r90
  text "24" at 56.099,50.8 h1.5
  text "1" at 48.5,49.4 h1.5 r90
  text "1" at 50.5,49.4 h1.5 r90
  text "0" at 52.6,49.4 h1.5 r90
  text "18" at 56.1,48.7 h1.5
  text "1" at 48.5,47.3 h1.5 r90
  text "0" at 50.5,47.3 h1.5 r90
  text "1" at 52.6,47.2 h1.5 r90
  text "16" at 56.1,46.4 h1.5
  text "1" at 48.6,45.2 h1.5 r90
  text "0" at 50.6,45.2 h1.5 r90
  text "0" at 52.6,45.2 h1.5 r90
  text "8" at 55.8,44.4 h1.5
  text "0" at 48.5,42.8 h1.5 r90
  text "0" at 50.5,42.8 h1.5 r90
  text "0" at 52.6,42.8 h1.5 r90
  text "I2C" at 56.4,42.5 h1.5
  text "IM2" at 48.5,41.8 h1.5 r90
  text "IM1" at 50.5,41.8 h1.5 r90
  text "IM0" at 52.6,41.8 h1.5 r90
  text "1" at 55.3,35.6 h1.5 r90
  text "0" at 55.3,34 h1.5 r90
  text "DE" at 25.7,12.4 h1.5 r90
  text "PCLK" at 26.9,12.4 h1.5 r90
  text "HSYNC" at 28.1,12.4 h1.5 r90
  text "VSYNC" at 29.3,12.4 h1.5 r90